# Altium PCB Screen_PCB_250426.PcbDoc
Units mm, origin at the board's own origin, x right, y up, seen from the top; angles counter-clockwise.
Board outline 76.09 x 58.94 mm, 2 copper layers (Top Layer, Bottom Layer), stack 1.581 mm thick; 128 components, 58 nets, 334 pads, 177 vias.
Unrouted connection lines stored in the file: 2.
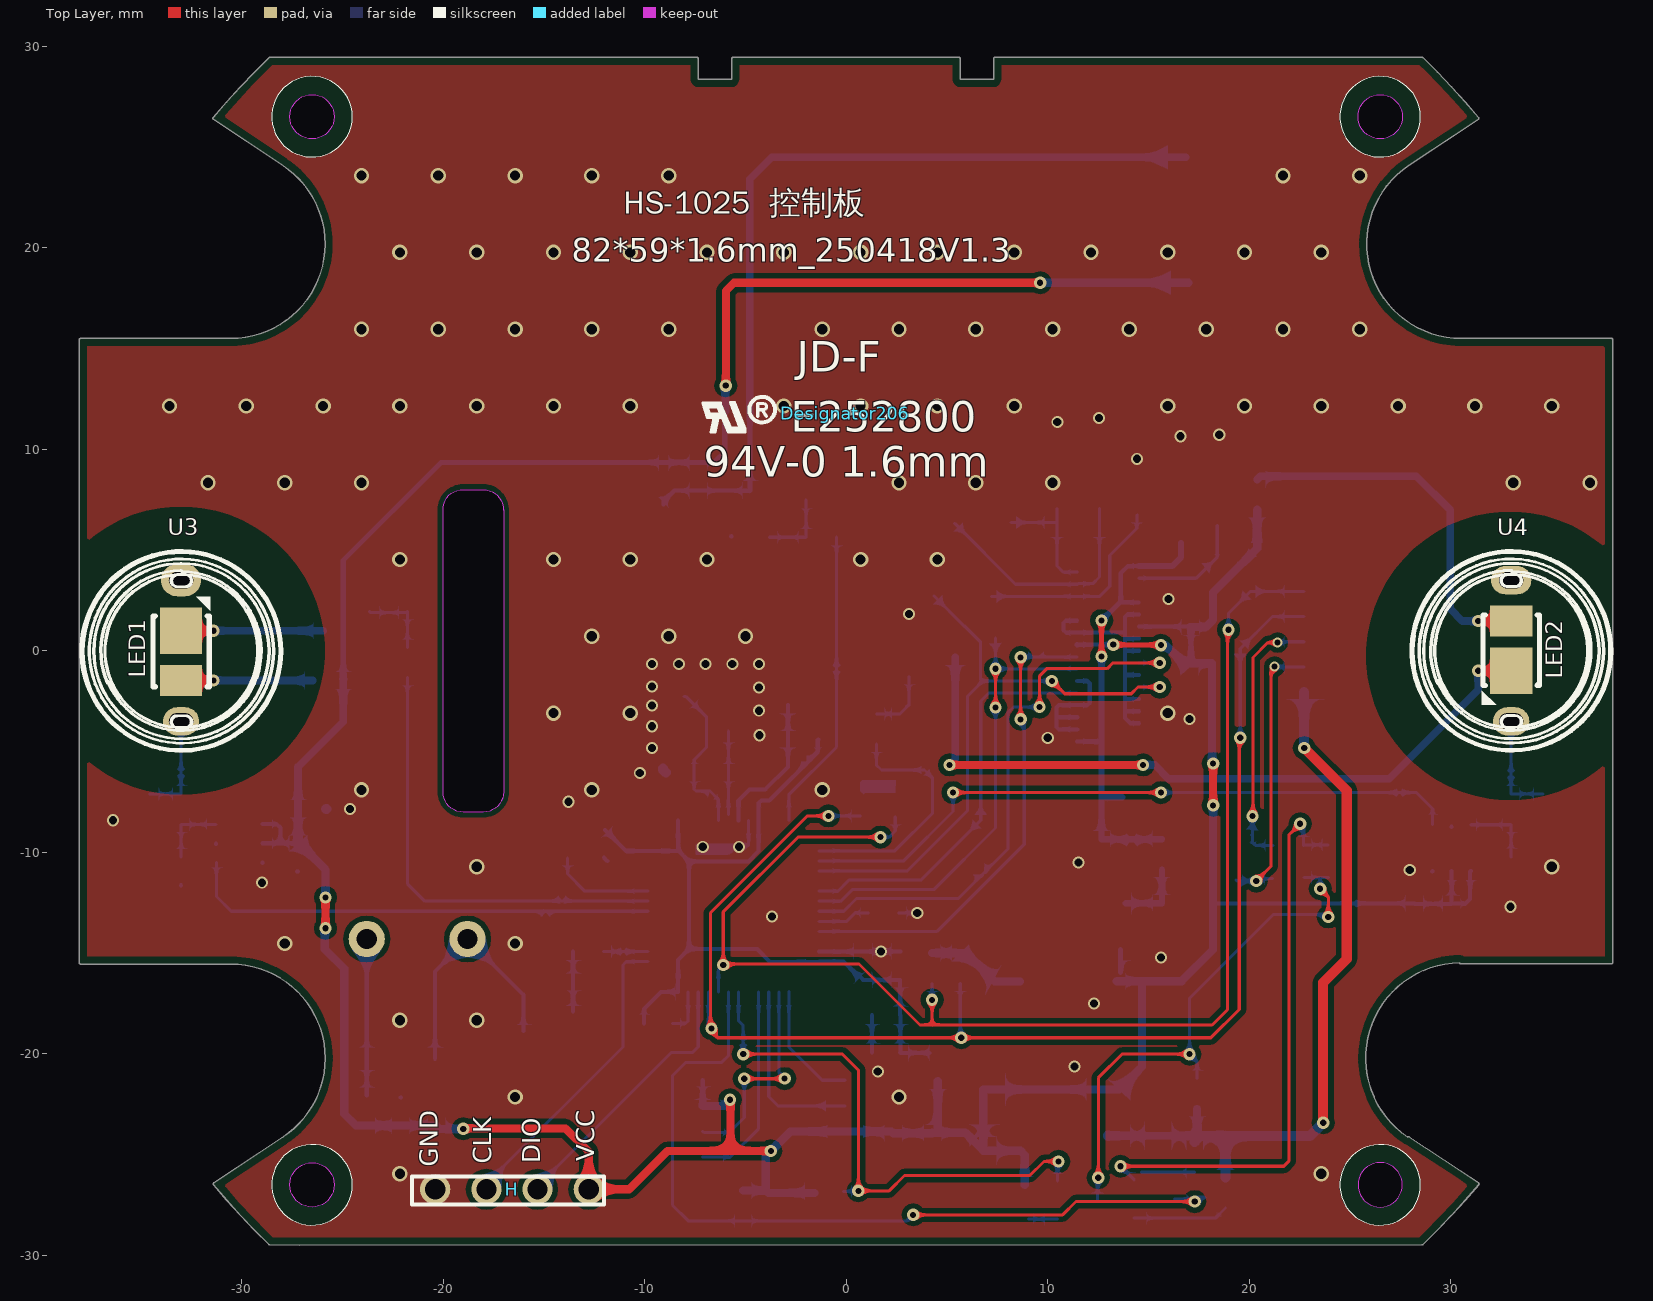
[diagram p0: Top Layer view]
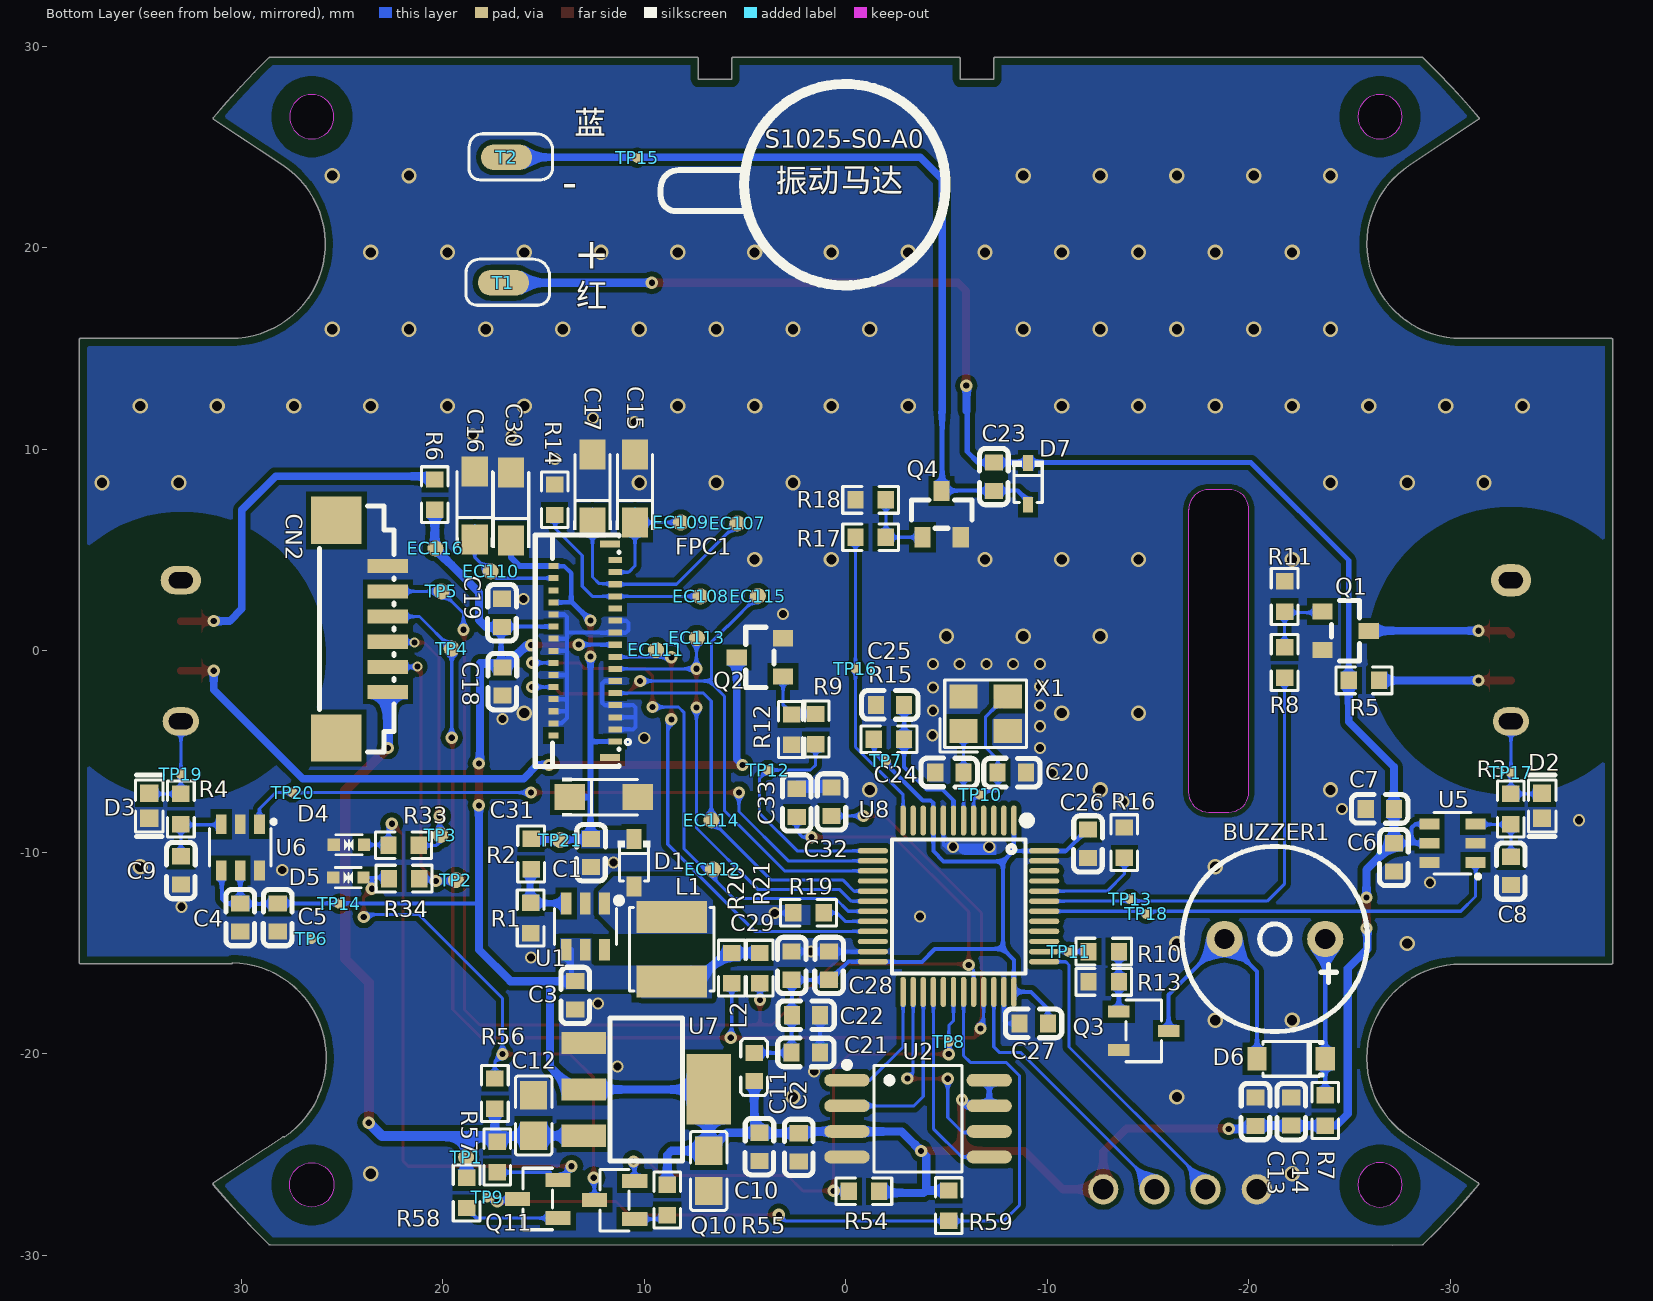
[diagram p1: Bottom Layer view, seen from below]
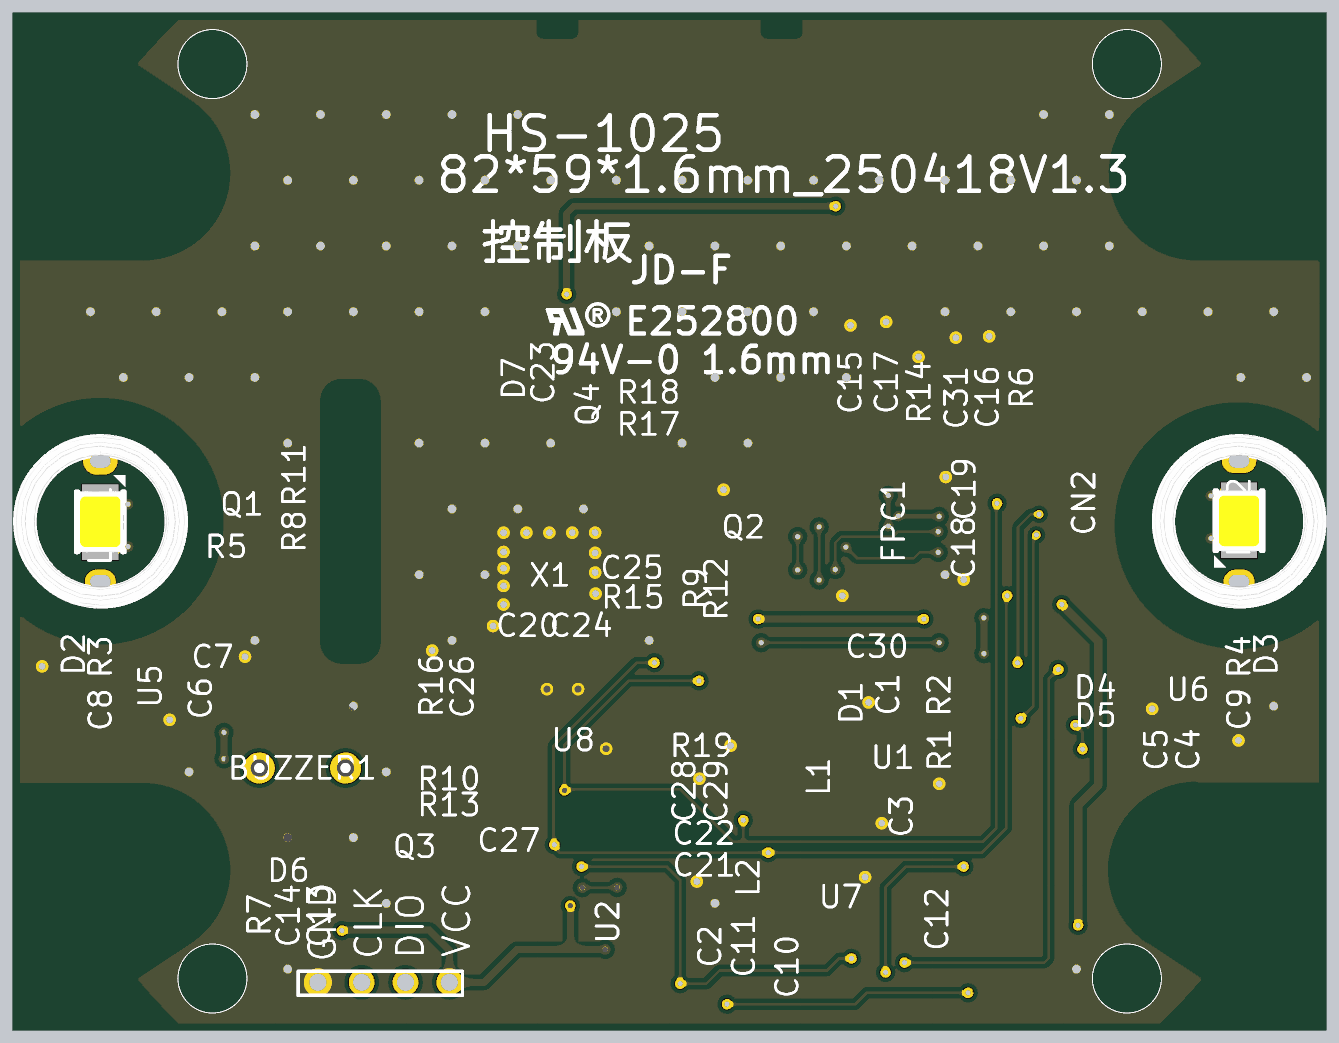
[diagram p2: 3D render of the assembled board from above, using the file's embedded part models]
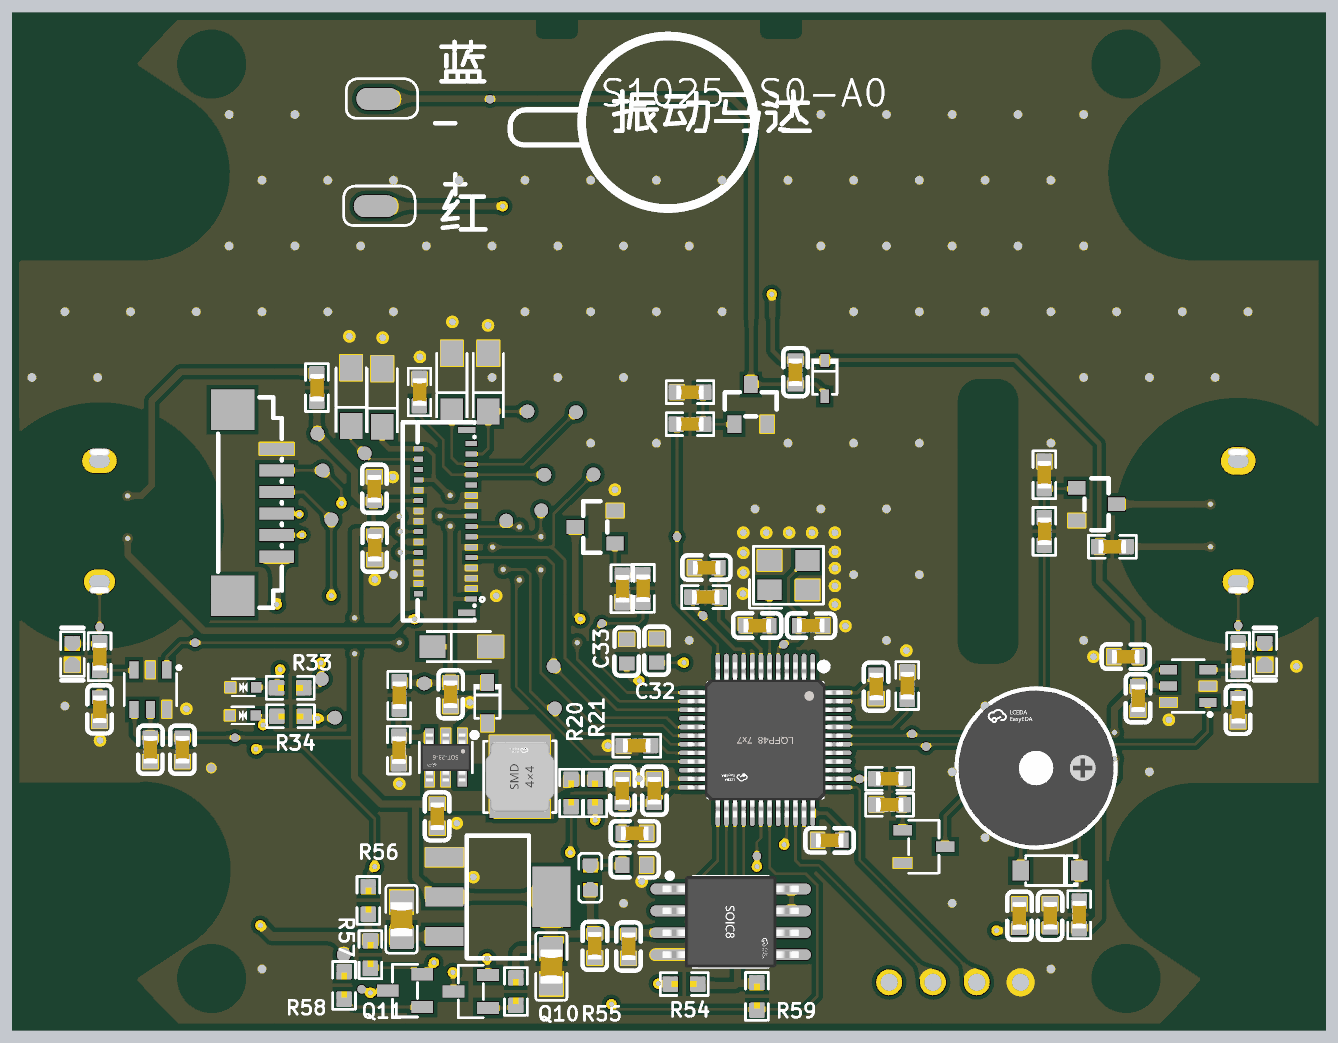
[diagram p3: 3D render of the assembled board from below, using the file's embedded part models]

## Layer stack, top to bottom
Top Solder: solder mask 0.0102, Solder Resist, Dk 3.5
Top Layer: signal copper 0.0356
Dielectric 1: dielectric 1.51, FR-4, Dk 4.8
Bottom Layer: signal copper 0.0356
Bottom Solder: solder mask 0.0102, Solder Resist, Dk 3.5

## Board outline
-28.637,-29.463 cw(c-3.602,-3.532) -31.386,-26.493 cw(c-31.337,-26.452) -31.372,-26.399 -27.944,-24.129 cw(c-27.908,-24.182) -27.944,-24.128 ccw(c-30.527,-20.226) -25.847,-20.226 ccw(c-30.527,-20.226) -30.537,-15.547 cw(c-30.537,-15.483) -30.551,-15.545 -37.985,-15.543 cw(c-37.985,-15.479) -38.049,-15.479 -38.051,15.435 cw(c-37.987,15.435) -37.987,15.498 -30.53,15.499 cw(c-30.53,15.435) -30.53,15.499 ccw(c-30.529,20.177) -25.851,20.177 ccw(c-30.529,20.177) -27.948,24.079 cw(c-27.913,24.132) -27.949,24.08 -31.39,26.367 cw(c-31.354,26.42) -31.403,26.461 cw(c-0.604,0.521) -28.64,29.425 cw(c-28.596,29.379) -28.593,29.443 -7.402,29.445 cw(c-7.402,29.381) -7.339,29.381 cw(c-7.402,29.381) -7.339,29.381 -7.338,28.348 -5.677,28.348 -5.677,29.381 cw(c-5.613,29.381) -5.613,29.445 5.598,29.446 cw(c5.598,29.382) 5.661,29.382 cw(c5.598,29.382) 5.661,29.382 5.662,28.35 7.323,28.35 7.323,29.385 cw(c7.387,29.385) 7.387,29.449 28.578,29.451 cw(c28.578,29.387) 28.623,29.432 cw(c2.83,2.771) 31.38,26.456 cw(c31.331,26.415) 31.395,26.415 cw(c31.331,26.415) 31.366,26.362 ccw(c31.331,26.415) 31.366,26.362 27.929,24.085 27.929,24.084 ccw(c30.512,20.183) 30.522,15.505 cw(c30.522,15.441) 30.537,15.503 37.977,15.502 cw(c37.977,15.438) 38.041,15.438 cw(c37.977,15.438) 38.041,15.438 38.034,-15.476 ccw(c37.97,-15.476) 38.034,-15.476 cw(c37.97,-15.476) 37.97,-15.54 30.515,-15.541 cw(c30.515,-15.477) 30.451,-15.474 ccw(c30.52,-20.21) 27.857,-24.127 cw(c27.899,-24.175) 27.934,-24.122 30.53,-25.835 cw(c30.495,-25.889) 30.53,-25.836 31.376,-26.399 cw(c31.341,-26.452) 31.405,-26.452 cw(c31.341,-26.452) 31.39,-26.493 cw(c0.591,-0.552) 28.621,-29.463 cw(c28.573,-29.42) 28.573,-29.484 -27.139,-29.486 cw(c-27.139,-29.422) -27.139,-29.486 -28.591,-29.482 cw(c-28.591,-29.419)
cut-out: 25.4,-26.5 ccw(c26.5,-26.5) 26.5,-27.6 ccw(c26.5,-26.5) 27.6,-26.5 ccw(c26.5,-26.5) 26.5,-25.4 ccw(c26.5,-26.5)
cut-out: -26.5,25.4 cw(c-26.5,26.5) -27.6,26.5 cw(c-26.5,26.5) -26.5,27.6 cw(c-26.5,26.5) -25.4,26.5 cw(c-26.5,26.5)
cut-out: 26.5,25.4 cw(c26.5,26.5) 25.4,26.5 cw(c26.5,26.5) 26.5,27.6 cw(c26.5,26.5) 27.6,26.5 cw(c26.5,26.5)
cut-out: -26.5,-27.6 cw(c-26.5,-26.5) -27.6,-26.5 cw(c-26.5,-26.5) -26.5,-25.4 cw(c-26.5,-26.5) -25.4,-26.5 cw(c-26.5,-26.5)
cut-out: -19,-8 cw(c-19,-7) -20,-7 -20,7 cw(c-19,7) -19,8 -18,8 -18.011,8.001 cw(c-18.011,7.001) -17.011,7.001 -17,7 -17,-7 cw(c-18,-7) -18,-8

## Design rules (kind name [scope] priority, off if disabled: settings)
BoardOutlineClearance [All] p1: gap=0.254 except(0.152: Track-OutlineEdge SMDPad-OutlineEdge; 0.381: Poly-OutlineEdge)
Clearance [All] p1: gap=0.254
Clearance MCU3V3 [InNet('MCU3V3') vs InNet('GND')] p2: gap=0.051
Clearance all [All] p3: gap=0.152 except(0.254: Arc-Fill Arc-Poly Arc-Region Track-Fill Track-Poly Track-Region SMDPad-Fill SMDPad-Poly SMDPad-Region THPad-Fill THPad-Poly THPad-Region Via-Fill Via-Poly Via-Region Fill-Fill Fill-Poly Fill-Region Poly-Poly Poly-Region Region-Region; 0.305: Track-Track)
ComponentClearance [All] p1: gap=0.051 collisioncheckmode=3 verticalgap=0.051 showdistances=FALSE
MinimumSolderMaskSliver [All] p1: minsoldermaskwidth=0
NetAntennae [All] p1: netantennaetolerance=0.025
PlaneClearance [All] p1: clearance=0.254
PlaneConnect [All] p1: planeconnectstyle=Direct reliefexpansion=0.508 reliefentries=4 reliefconductorwidth=0.254 reliefairgap=0.254
PolygonConnect FIll [InNetClass('Fill')] p1: connectstyle=Direct reliefconductorwidth=0.254 reliefentries=4 polygonreliefangle="90 Angle" airgapwidth=0.254
PolygonConnect [All] p2: connectstyle=Direct reliefconductorwidth=0.254 reliefentries=4 polygonreliefangle="90 Angle" airgapwidth=0.254
RoutingVias [All] p1: holewidth=0.305 width=0.61 viastyle="Through Hole" minholewidth=0.305 minwidth=0.61 maxholewidth=0.305 maxwidth=0.61
ShortCircuit ShortCircuit_1 [All] p1: allowed=FALSE
ShortCircuit [All] p2: allowed=FALSE
SilkToSilkClearance [All] p1: silktosilkclearance=0
SilkToSolderMaskClearance [IsPad] p1: minsilkscreentomaskgap=0.051 clearancetoexposedcopper=TRUE
SolderMaskExpansion [All] p1: expansion=0.064
Width PWR [InNetClass('PWR')] p1: maxlimit=1.524 minlimit=0.152 preferedwidth=0.203 minimp=50.000000 maximp=50.000000 favimp=50.000000
Width [All] p2: maxlimit=0.381 minlimit=0.152 preferedwidth=0.152 minimp=50.000000 maximp=50.000000 favimp=50.000000
22 further rules are at their usual default settings.

## Classes and differential pairs
component class Screen_PCB_250211: BUZZER1 C1 C2 C3 C4 C5 C6 C7 C8 C9 C10 C11 C12 C13 C14 C15 C16 C17 C18 C19 C20 C21 C22 C23 C24 C25 C26 C27 C28 C29 C30 C31 C32 C33 CN2 D1 D2 D3 D4 D5 D6 D7 FPC1 H L1 L2 LED1 LED2 Q1 Q2 Q3 Q4 Q10 Q11 R1 R2 R3 R4 R5 R6 R7 R8 R9 R10 R11 R12 R13 R14 R15 R16 R17 R18 R19 R20 R21 R33 R34 R54 R55 R56 R57 R58 R59 T1 T2 TP1 TP2 TP3 TP4 TP5 TP6 TP7 TP8 TP9 TP10 TP11 TP12 TP13 TP14 TP15 TP16 TP17 TP18 TP19 TP20 TP21 U1 U2 U3 U4 U5 U6 U7 U8 X1

## Components (designator, comment, footprint, x,y, rotation, side; value= is the part's Value field where it differs from the comment)
BUZZER1 "3kHz" BUZ-TH_BD9.0-P5.00-D0.6-FD -21.285,-14.3 r0 bottom locked
C1 "22uF" C0603 12.649,-10.033 r270 bottom
C2 "CL10B104KB8NNNC" C0603 2.337,-24.638 r90 bottom
C3 "22uF" C0603 13.428,-17.094 r90 bottom
C4 "CL10B104KB8NNNC" C0603 30.048,-13.233 r90 bottom
C5 "0603B105K250NT" C0603 28.194,-13.233 r90 bottom
C6 "CL10B104KB8NNNC" C0603 -27.192,-10.25 r90 bottom
C7 "0603B105K250NT" C0603 -26.492,-7.849 r180 bottom
C8 "0603CG100J500NT" C0603 -32.995,-10.922 r90 bottom
C9 "0603CG100J500NT" C0603 32.995,-10.897 r90 bottom
C10 "CL21A226MAQNNNE_C45783" C0805 6.807,-25.806 r90 bottom
C11 "CL10B104KB8NNNC" C0603 4.293,-24.613 r270 bottom
C12 "CL21A226MAQNNNE_C45783" C0805 15.494,-23.063 r270 bottom
C13 "CC0603KRX7R9BB102" C0603 -20.32,-22.874 r270 bottom
C14 "CL10B104KB8NNNC" C0603 -22.098,-22.86 r90 bottom
C15 "4.7UF/25V" CAP-SMD_L3.2-W1.6-RD 10.465,8.052 r90 bottom
C16 "4.7UF" CAP-SMD_L3.2-W1.6-RD 18.415,7.214 r90 bottom
C17 "4.7UF" CAP-SMD_L3.2-W1.6-RD 12.573,8.052 r90 bottom
C18 "0603B105K250NT" C0603 17.043,-1.524 r90 bottom
C19 "0603B105K250NT" C0603 17.069,1.88 r270 bottom
C20 "CC0603JRNPO9BN200" C0603 -8.23,-6.045 r0 bottom
C21 "0603B105K250NT" C0603 1.992,-19.928 r0 bottom
C22 "CL10B104KB8NNNC" C0603 1.981,-18.085 r0 bottom
C23 "CL10B104KB8NNNC" C0603 -7.341,8.636 r270 bottom
C24 "CC0603JRNPO9BN200" C0603 -5.131,-6.045 r180 bottom
C25 "CL10B104KB8NNNC" C0603 -2.187,-2.687 r180 bottom
C26 "CL10B104KB8NNNC" C0603 -12.014,-9.576 r90 bottom
C27 "CL10B104KB8NNNC" C0603 -9.322,-18.491 r180 bottom
C28 "CL10B104KB8NNNC" C0603 0.838,-15.621 r270 bottom
C29 "CL10A106KP8NNNC" C0603 2.692,-15.621 r270 bottom
C30 "CL21B475KAFNNNE" CAP-SMD_L3.2-W1.6-RD 16.612,7.163 r90 bottom (schematic designator C31)
C31 "NC" CAP-SMD_L3.2-W1.6-RD 12.014,-7.264 r180 bottom (schematic designator C30)
C32 "103" C0603 0.711,-7.493 r90 bottom
C33 "103" C0603 2.438,-7.544 r90 bottom
CN2 "XHB-6AW" CONN-SMD_6P-P1.25_HC-1.25-6PLT 24.002,1.073 r270 bottom
D1 "1N5819WS" SOD-323_L1.8-W1.3-LS2.5-RD 10.516,-10.516 r270 bottom
D2 "BESDU0603-14" D0603-BI -34.544,-7.696 r270 bottom
D3 "BESDU0603-14" D0603-BI 34.569,-7.696 r270 bottom
D4 "PESD3V3S1BA-N" SOD-523_L1.2-W0.8-LS1.6-BI 24.663,-9.627 r180 bottom
D5 "PESD3V3S1BA-N" SOD-523_L1.2-W0.8-LS1.6-BI 24.689,-11.252 r180 bottom
D6 "1N4148W" SOD-123_L2.8-W1.8-LS3.7-RD -22.093,-20.244 r0 bottom
D7 "B5819WS" SOD-323_L1.7-W1.3-LS2.5-FD -9.042,8.28 r90 bottom
Designator206 "Comment" JD2 -0.051,11.786 r0 top
EC24 "Comment" 工艺要求FR4双面 143.002,-7.976 r0 top
EC107 "Comment" Test-Point-1.0mm 5.385,6.325 r180 bottom
EC108 "Comment" Test-Point-1.0mm 7.214,2.7 r180 bottom
EC109 "Comment" Test-Point-1.0mm 8.194,6.365 r180 bottom
EC110 "Comment" Test-Point-1.0mm 17.628,3.937 r180 bottom
EC111 "Comment" 版本修改 -30.226,51.486 r0 top
EC111 "Comment" Test-Point-1.0mm 9.423,0.041 r180 bottom
EC112 "Comment" Test-Point-1.0mm 6.604,-10.846 r180 bottom
EC113 "Comment" Test-Point-1.0mm 7.391,0.635 r180 bottom
EC114 "Comment" Test-Point-1.0mm 6.68,-8.407 r180 bottom
EC115 "Comment" Test-Point-1.0mm 4.369,2.718 r180 bottom
EC116 "Comment" Test-Point-1.0mm 20.371,5.08 r180 bottom
FPC1 "0.3K-HX-31PWB" FPC-SMD_31P-P0.30_HDGC_0.3K-HX-31PWB 12.979,0 r270 bottom locked
H "CON4" SIP4-2.54 -16.58,-26.721 r90 top
L1 "10uH" IND-SMD_L4.0-W4.0 8.636,-14.808 r90 bottom
L2 "MLF1608A3R3JT000" L0603 4.547,-20.65 r90 bottom
LED1 "67-21S/KK7C-H507034Z15/DT(GC)" LED-SMD_L3.5-W2.8-FD-2835_WHITE -33,-0.24 r90 top
LED2 "67-21S/KK7C-H507034Z15/DT(GC)" LED-SMD_L3.5-W2.8-FD-2835_WHITE 33,0.24 r270 top
Q1 "SI2302" SOT-23_L2.9-W1.3-P1.90-LS2.4-BR -24.79,0.991 r0 bottom
Q2 "SI2302" SOT-23_L2.9-W1.3-P1.90-LS2.4-BR 4.267,-0.33 r180 bottom
Q3 "S8550" SOT-23-3_L2.9-W1.6-P1.90-LS2.8-BR -14.781,-18.857 r0 bottom
Q4 "SI2302_C2938373" SOT-23_L2.9-W1.3-P1.90-LS2.4-BR -4.75,6.782 r270 bottom
Q10 "MMBT3904" SOT-23-3_L2.9-W1.3-P1.90-LS2.4-BR 11.481,-27.254 r180 bottom
Q11 "MMBT3904" SOT-23-3_L2.9-W1.3-P1.90-LS2.4-BR 15.291,-27.203 r180 bottom
R1 "180kΩ" R0603 15.646,-13.259 r270 bottom
R2 "220K" R0603 15.621,-10.084 r270 bottom
R3 "RC0603FR-071KL" R0603 -32.995,-7.849 r270 bottom
R4 "RC0603FR-071KL" R0603 32.995,-7.849 r270 bottom
R5 "RC0603FR-07100RL" R0603 -25.705,-1.471 r0 bottom
R6 "RC0603FR-07100RL" R0603 20.396,7.747 r270 bottom
R7 "0603WAF100JT5E" R0603 -23.785,-22.809 r90 bottom
R8 "RC0603FR-071KL" R0603 -21.768,-0.584 r270 bottom
R9 "RC0603FR-071KL" R0603 1.499,-3.886 r270 bottom
R10 "1kΩ" R0603 -12.793,-14.925 r180 bottom
R11 "10kΩ" R0603 -21.768,2.694 r90 bottom
R12 "10kΩ" R0603 2.692,-3.912 r270 bottom
R13 "10kΩ" R0603 -12.793,-16.431 r0 bottom
R14 "0603WAF7503T5E" R0603 14.453,7.493 r270 bottom
R15 "10kΩ" R0603 -2.134,-4.394 r180 bottom
R16 "0603WAF1002T5E" R0603 -13.818,-9.522 r270 bottom
R17 "RC0603FR-071KL" R0603 -1.228,5.632 r180 bottom
R18 "10kΩ" R0603 -1.228,7.486 r0 bottom
R19 "0603WAF1002T5E" R0603 1.854,-13.005 r180 bottom
R20 "10KJ" R0603 5.664,-15.748 r270 bottom
R21 "10KJ" R0603 4.267,-15.748 r90 bottom
R33 "100Ω" R0603 21.946,-9.652 r0 bottom
R34 "100Ω" R0603 21.92,-11.303 r0 bottom
R54 "2.2kΩ" R0603 -0.889,-26.822 r180 bottom
R55 "2.2kΩ" R0603 8.865,-27.254 r90 bottom
R56 "2.2kΩ" R0603 17.415,-21.971 r270 bottom
R57 "2.2kΩ" R0603 17.297,-25.121 r270 bottom
R58 "2.2kΩ" R0603 18.821,-26.899 r270 bottom
R59 "2.2kΩ" R0603 -5.105,-27.534 r270 bottom
T1 "+" 1.5MM测试点#1 16.993,18.263 r180 bottom
T2 "-" 1.5MM测试点#2 17.17,24.486 r180 bottom
TP1 "Test-Point" Test-Point-0.5mm#1 18.847,-25.121 r90 bottom
TP2 "Test-Point" Test-Point-0.5mm#1 19.355,-11.379 r90 bottom
TP3 "Test-Point" Test-Point-0.5mm#1 20.117,-9.144 r90 bottom
TP4 "Test-Point" Test-Point-0.5mm#1 19.558,0.102 r90 bottom
TP5 "Test-Point" Test-Point-0.5mm#1 20.068,2.948 r90 bottom
TP6 "Test-Point" Test-Point-0.5mm#2 26.518,-14.3 r90 bottom
TP7 "Test-Point" Test-Point-0.5mm#2 -1.981,-5.461 r90 bottom
TP8 "Test-Point" Test-Point-0.5mm#2 -5.105,-19.406 r90 bottom
TP9 "Test-Point" Test-Point-0.5mm#2 17.805,-27.127 r90 bottom
TP10 "Test-Point" Test-Point-0.5mm#2 -6.655,-7.137 r90 bottom
TP11 "Test-Point" Test-Point-0.5mm#2 -11.049,-14.935 r90 bottom
TP12 "Test-Point" Test-Point-0.5mm#2 3.886,-5.918 r90 bottom
TP13 "Test-Point" Test-Point-0.5mm#2 -14.097,-12.319 r90 bottom
TP14 "Test-Point" Test-Point-0.5mm#2 25.146,-12.548 r90 bottom
TP15 "Test-Point" Test-Point-0.5mm#2 10.363,24.46 r90 bottom
TP16 "Test-Point" Test-Point-0.5mm#2 -0.475,-0.889 r90 bottom
TP17 "Test-Point" Test-Point-0.5mm#2 -33,-6.045 r90 bottom
TP18 "Test-Point" Test-Point-0.5mm#2 -14.91,-13.056 r90 bottom
TP19 "Test-Point" Test-Point-0.5mm#2 32.995,-6.121 r90 bottom
TP20 "Test-Point" Test-Point-0.5mm#2 27.457,-7.036 r90 bottom
TP21 "Test-Point" Test-Point-1.0mm 14.173,-9.398 r90 bottom
U1 "MT3608" SOT-23-6_L2.9-W1.6-P0.95-LS2.8-BL 12.929,-13.691 r0 bottom
U2 "W25Q32JVSSIQ" SOIC-8_L5.3-W5.3-P1.27-LS8.0-BL -3.581,-23.216 r270 bottom locked
U3 "F10-8-7-0.4" F6.5-10-4.5-0.5Z#1 -33,0 r90 top
U4 "F10-8-7-0.4" F6.5-10-4.5-0.5Z#2 33,0 r90 top
U5 "SSP8011AM" SOT-23-6_L2.9-W1.7-P0.95-LS2.8-BL -30.099,-9.55 r90 bottom
U6 "SSP8011AM" SOT-23-6_L2.9-W1.7-P0.95-LS2.8-BL 30.048,-9.754 r0 bottom
U7 "LD1117-3.3" SOT-223_L6.7-W3.5-P2.30-BR 9.906,-21.768 r0 bottom locked
U8 "STM32F103C8T6" LQFP-48_L7.0-W7.0-P0.50-LS9.0-BL -5.588,-12.675 r0 bottom
X1 "X32258MSB4SI" CRYSTAL-SMD_4P-L3.2-W2.5-BL -6.934,-3.124 r180 bottom
